# Altium PCB XTIDA-010086.PcbDoc (part 6 of 17) (continued)
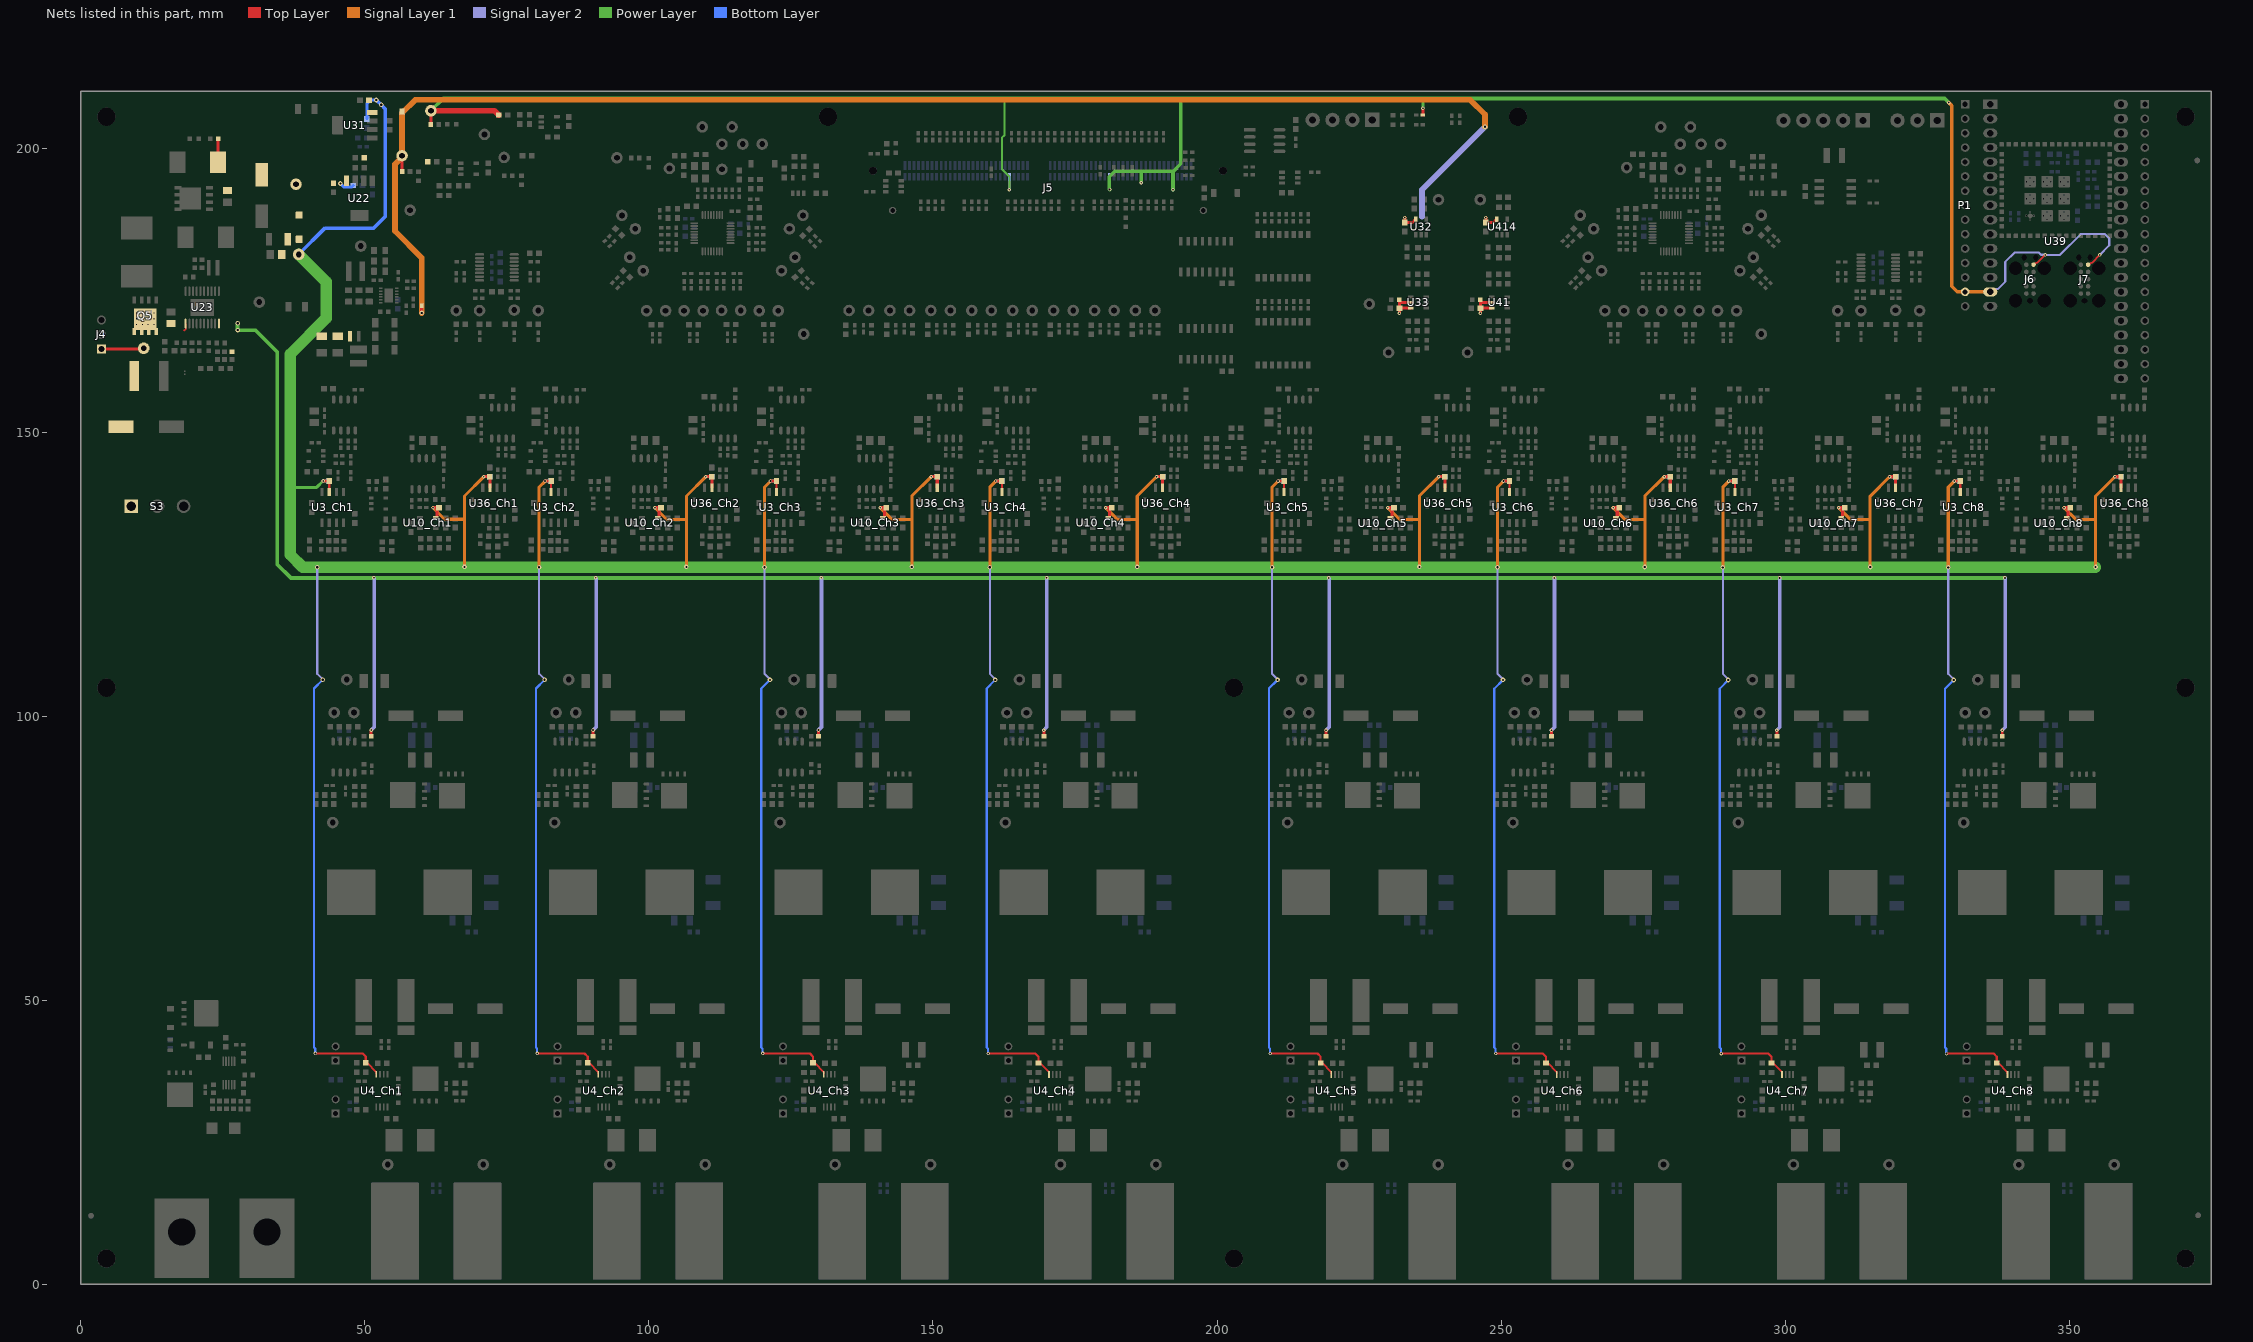
[diagram p10: the nets of this part, all layers, seen from the top]
## Part data (continued)
  R76_Ch1 R76_Ch2 R76_Ch3 R76_Ch4 R76_Ch5 R76_Ch6 R76_Ch7 R76_Ch8: Group=RV
R63_Ch1 R63_Ch2 R63_Ch3 R63_Ch4 R63_Ch5 R63_Ch6 R63_Ch7 R63_Ch8 R77_Ch1 R77_Ch2 R77_Ch3 R77_Ch4 R77_Ch5 R77_Ch6 R77_Ch7 R77_Ch8: library part Resistor, "RES, 49.9 k, 0.1%, 0.1 W, 0603", Manufacturer="Yageo America", PartNumber=RT0603BRD0724KL, Power_W=100mW, TempCo="25 ppm/C", Tolerance_%=0.1%, Value2=0.1W, Value_Code=49k9, ValueDisplayed=49.9k, AEC Category=Q200, AEC Qualified=?, CompType=Resistor, EIA_Code=E192, Group2=VSS, LatestRevisionDate=2017-03-09, MountType=SMT, PackageReference=0603, Published=2008-06-26, Publisher="Texas Instruments", Res_ohm=49.9k, RoHS=Y, SizeArea_mm2=1.28, SizeX_mm=1.6, SizeY_mm=0.8, SizeZ_mm=1, Technology="Thin Film", U/M=EA, Value1=0.1%, VDC_V=75V
R64_Ch1 R64_Ch2 R64_Ch3 R64_Ch4 R64_Ch5 R64_Ch6 R64_Ch7 R64_Ch8 R70_Ch1 R70_Ch2 R70_Ch3 R70_Ch4 R70_Ch5 R70_Ch6 R70_Ch7 R70_Ch8: library part Resistor, "RES, 100 k, 0.1%, 0.1 W, 0603", Manufacturer="Yageo America", Power_W=100mW, Supplier Part Number 1=603-RT0603BRD07100KL, TempCo="25 ppm/C", Tolerance_%=0.1%, Value2=0.1W, Value_Code=100k, AEC Category=Q200, AEC Qualified=?, ComponentLink1Description="Datasheet link", ComponentLink1URL=http://www.yageo.com/pdf/PYu-RT_1-to-0.05_RoHS_L_3.pdf, CompType=Resistor, EIA_Code=E192, Group2=VSS, LatestRevisionDate=2017-03-09, MountType=SMT, PackageReference=0603, PartNumber=RT0603BRD07100KL, Published=2008-06-26, Publisher="Texas Instruments", Res_ohm=100k, RoHS=Y, SizeArea_mm2=1.28, SizeX_mm=1.6, SizeY_mm=0.8, SizeZ_mm=1, Supplier 1=Mouser, Technology="Thin Film", U/M=EA, Value1=0.1%, ValueDisplayed=100k, VDC_V=75V
R72_Ch1 R72_Ch2 R72_Ch3 R72_Ch4 R72_Ch5 R72_Ch6 R72_Ch7 R72_Ch8: library part Resistor, "RES, 32.0 k, 0.1%, 0.1 W, 0603", Manufacturer="Yageo America", PartNumber=RT0603BRD0724KL, Power_W=100mW, TempCo="25 ppm/C", Tolerance_%=0.1%, Value2=0.1W, Value_Code=24k0, ValueDisplayed=32.0k, AEC Category=Q200, AEC Qualified=?, CompType=Resistor, EIA_Code=E192, Group2=VSD, LatestRevisionDate=2017-03-09, MountType=SMT, PackageReference=0603, Published=2008-06-26, Publisher="Texas Instruments", Res_ohm=32k, RoHS=Y, SizeArea_mm2=1.28, SizeX_mm=1.6, SizeY_mm=0.8, SizeZ_mm=1, Technology="Thin Film", U/M=EA, Value1=0.1%, VDC_V=75V
R75_Ch1 R75_Ch2 R75_Ch3 R75_Ch4 R75_Ch5 R75_Ch6 R75_Ch7 R75_Ch8: library part Resistor, "RES, 1.00, 1%, 0.1 W, 0603", Manufacturer=Yageo, Power_W=100mW, Supplier Part Number 1=311-1.00HRCT-ND, TempCo="200 ppm/C", Tolerance_%=1%, Value2=0.1W, Value_Code=1R00, ValueDisplayed=1, AEC Category=Q200, AEC Grade=N/A, AEC Qualified=N, ComponentLink1Description="Datasheet link", ComponentLink1URL=http://www.yageo.com/pdf/Pu-RC0603_51_PbFree_L_2.pdf, CompType=Resistor, EIA_Code=E96, Group=RV, MountType=SMT, PackageReference=0603, PartNumber=RC0603FR-071RL, Res_ohm=1, RoHS=Y, SizeArea_mm2=1.28, SizeAreaWB_mm2=4.68, SizeX_mm=1.6, SizeY_mm=0.8, SizeZ_mm=1, Supplier 1=Digi-Key, Supplier 2=Mouser, Supplier 3=Farnell, Supplier Part Number 2=603-RC0603FR-071RL, Supplier Part Number 3=9238123, Technology="Thick Film", Value1=1%, VDC_V=75V
R78 R489: "RES, 2.0, 5%, 0.1 W, 0603", Manufacturer=Vishay-Dale, Power_W=0.1, Supplier Part Number 1=541-2.0GCT-ND, TempCo="200 ppm/C", Tolerance_%=5, Value1=5%, Value2=0.1W, Value_Code=2R00, ValueDisplayed=2.0, AEC Category=Q200, AEC Qualified=?, ComponentLink1Description="Datasheet link", ComponentLink1URL=http://www.vishay.com/docs/20035/dcrcwe3.pdf, CompType=Resistor, EIA_Code=E24, LatestRevisionDate=2017-03-04, MountType=SMT, PackageReference=0603, PartNumber=CRCW06032R00JNEA, Published=2008-06-26, Publisher="Texas Instruments", Res_ohm=2, RoHS=Y, SizeArea_mm2=1.28, SizeX_mm=1.6, SizeY_mm=0.8, SizeZ_mm=1, Supplier 1=Digi-Key, Supplier 2=Mouser, Supplier 3=Farnell, Supplier Part Number 2=71-CRCW0603J-2-E3, Supplier Part Number 3=1889800, SymbolVersion=2009-05-29, Technology="Thick Film", U/M=EA, VDC_V=75
R79 R164 R165 R457: "RES, 0, 5%, 0.063 W, 0402", Manufacturer=Panasonic, Power_W=0.063, Supplier Part Number 1=P0.0JCT-ND, TempCo="600 ppm/C", Tolerance_%=5, Value1=5%, Value2=0.063W, Value_Code=0000, ValueDisplayed=0, AEC Category=Q200, AEC Qualified=?, ComponentLink1Description="Datasheet link", ComponentLink1URL=http://www.panasonic.com/industrial/components/pdf/AOA0000CE1.pdf, CompType=Resistor, EIA_Code=E24, LatestRevisionDate=2015-10-23, MountType=SMT, PackageReference=0402, PartNumber=ERJ-2GE0R00X, Published=2008-06-26, Publisher="Texas Instruments", Res_ohm=0, RoHS=Y, Supplier 1=Digi-Key, Supplier 2=Mouser, Supplier 3=Farnell, Supplier Part Number 2=667-ERJ-2GE0R00X, Supplier Part Number 3=2059190, SymbolVersion=2009-05-29, Technology="Thick Film", U/M=EA, VDC_V=50
R80: "RES, 2.00 k, 1%, 0.1 W, 0603", Manufacturer=Vishay-Dale, Power_W=0.1, Supplier Part Number 1=541-2.00KHCT-ND, TempCo="100 ppm/C", Tolerance_%=1, Value1=1%, Value2=0.1W, Value_Code=2k00, ValueDisplayed=2.00k, AEC Category=Q200, AEC Qualified=?, ComponentLink1Description="Datasheet link", ComponentLink1URL=http://www.vishay.com/docs/20035/dcrcwe3.pdf, CompType=Resistor, EIA_Code=E96, Green_EU RoHS="Passed with Exemption", Green_EU RoHS-2=Passed, Green_Lifecycle=Active, Green_REACh=Passed, LatestRevisionDate=2017-06-13, MountType=SMT, PackageReference=0603, PartNumber=CRCW06032K00FKEA, Published=2008-06-26, Publisher="Texas Instruments", Res_ohm=2000, RoHS=Y, SizeArea_mm2=1.28, SizeX_mm=1.6, SizeY_mm=0.8, SizeZ_mm=1, Supplier 1=Digi-Key, Supplier 2=Newark, Supplier 3=Mouser, Supplier Part Number 2=52K8223, Supplier Part Number 3=71-CRCW0603-2.0K-E3, SymbolVersion=2009-05-29, Technology="Thick Film", U/M=EA, VDC_V=75
R81: "RES, 330 k, 1%, 0.1 W, 0603", Manufacturer="Yageo America", Power_W=0.1, Supplier Part Number 1=311-330KHRCT-ND, TempCo="200 ppm/C", Tolerance_%=1, Value1=1%, Value2=0.1W, Value_Code=330k, AEC Category=Q200, AEC Qualified=?, ComponentLink1Description="Datasheet link", ComponentLink1URL=http://www.yageo.com/pdf/Pu-RC0603_51_PbFree_L_2.pdf, CompType=Resistor, Green_EU RoHS="Passed with Exemption", Green_EU RoHS-2=Passed, Green_Lifecycle=Active, Green_REACh=Passed, LatestRevisionDate=2017-06-13, MountType=SMT, PackageReference=0603, PartNumber=RC0603FR-07330KL, Published=2008-06-26, Publisher="Texas Instruments", Res_ohm=330000, RoHS=Y, SizeArea_mm2=1.28, SizeX_mm=1.6, SizeY_mm=0.8, SizeZ_mm=1, Supplier 1=Digi-Key, Supplier 2=Mouser, Supplier 3=Farnell, Supplier Part Number 2=603-RC0603FR-07330KL, Supplier Part Number 3=9238786, SymbolVersion=2009-05-29, Technology="Thick Film", U/M=EA, ValueDisplayed=330k, VDC_V=150
R82 R88 R89: "RES, 10.0 k, 1%, 0.1 W, 0603", Manufacturer="Yageo America", Power_W=0.1, Supplier Part Number 1=311-10.0KHRCT-ND, TempCo="200 ppm/C", Tolerance_%=1, Value1=1%, Value2=0.1W, Value_Code=10k0, ValueDisplayed=10.0k, AEC Category=Q200, AEC Qualified=?, ComponentLink1Description="Datasheet link", ComponentLink1URL=http://www.yageo.com/pdf/Pu-RC0603_51_PbFree_L_2.pdf, CompType=Resistor, EIA_Code=E96, LatestRevisionDate=2016-09-18, MountType=SMT, PackageReference=0603, PartNumber=RC0603FR-0710KL, Published=2008-06-26, Publisher="Texas Instruments", Res_ohm=10000, RoHS=Y, SizeArea_mm2=1.28, SizeX_mm=1.6, SizeY_mm=0.8, SizeZ_mm=1, Supplier 1=Digi-Key, Supplier 2=Mouser, Supplier 3=Farnell, Supplier Part Number 2=603-RC0603FR-0710KL, Supplier Part Number 3=9238603, SymbolVersion=2009-05-29, Technology="Thick Film", U/M=EA, VDC_V=150
R83: "RES, 20.5 k, 1%, 0.1 W, 0603", Manufacturer=Vishay-Dale, Power_W=0.1, Supplier Part Number 1=541-20.5KHCT-ND, TempCo="100 ppm/C", Tolerance_%=1, Value1=1%, Value2=0.1W, Value_Code=20k5, ValueDisplayed=20.5k, AEC Category=Q200, AEC Qualified=?, ComponentLink1Description="Datasheet link", ComponentLink1URL=http://www.vishay.com/docs/20035/dcrcwe3.pdf, CompType=Resistor, EIA_Code=E96, Green_EU RoHS="Passed with Exemption", Green_EU RoHS-2=Passed, Green_Lifecycle=Active, Green_REACh=Passed, LatestRevisionDate=2017-06-13, MountType=SMT, PackageReference=0603, PartNumber=CRCW060320K5FKEA, Published=2008-06-26, Publisher="Texas Instruments", Res_ohm=20500, RoHS=Y, SizeArea_mm2=1.28, SizeX_mm=1.6, SizeY_mm=0.8, SizeZ_mm=1, Supplier 1=Digi-Key, Supplier 2=Newark, Supplier 3=Mouser, Supplier Part Number 2=52K8268, Supplier Part Number 3=71-CRCW0603-20.5K-E3, SymbolVersion=2009-05-29, Technology="Thick Film", U/M=EA, VDC_V=75
R84: "RES, 54.9 k, 1%, 0.1 W, 0603", Manufacturer="Yageo America", Power_W=0.1, Supplier Part Number 1=311-54.9KHRCT-ND, TempCo="200 ppm/C", Tolerance_%=1, Value1=1%, Value2=0.1W, Value_Code=54k9, ValueDisplayed=54.9k, AEC Category=Q200, AEC Qualified=?, ComponentLink1Description="Datasheet link", ComponentLink1URL=http://www.yageo.com/pdf/Pu-RC0603_51_PbFree_L_2.pdf, CompType=Resistor, EIA_Code=E96, LatestRevisionDate=2016-09-18, MountType=SMT, PackageReference=0603, PartNumber=RC0603FR-0754K9L, Published=2008-06-26, Publisher="Texas Instruments", Res_ohm=54900, RoHS=Y, SizeArea_mm2=1.28, SizeX_mm=1.6, SizeY_mm=0.8, SizeZ_mm=1, Supplier 1=Digi-Key, Supplier 2=Mouser, Supplier Part Number 2=603-RC0603FR-0754K9L, SymbolVersion=2009-05-29, Technology="Thick Film", U/M=EA, VDC_V=150
R85: "RES, 62.0 k, 1%, 0.1 W, 0603", Manufacturer="Yageo America", Power_W=0.1, Supplier Part Number 1=311-62.0KHRCT-ND, TempCo="200 ppm/C", Tolerance_%=1, Value1=1%, Value2=0.1W, Value_Code=62k0, ValueDisplayed=62.0k, AEC Category=Q200, AEC Qualified=?, ComponentLink1Description="Datasheet link", ComponentLink1URL=http://www.yageo.com/pdf/Pu-RC0603_51_PbFree_L_2.pdf, CompType=Resistor, LatestRevisionDate=2016-09-18, MountType=SMT, PackageReference=0603, PartNumber=RC0603FR-0762KL, Published=2008-06-26, Publisher="Texas Instruments", Res_ohm=62000, RoHS=Y, SizeArea_mm2=1.28, SizeX_mm=1.6, SizeY_mm=0.8, SizeZ_mm=1, Supplier 1=Digi-Key, Supplier 2=Mouser, Supplier Part Number 2=603-RC0603FR-0762KL, SymbolVersion=2009-05-29, Technology="Thick Film", U/M=EA, VDC_V=150
R87: "RES, 1.00 M, 1%, 0.1 W, 0603", Manufacturer=Vishay-Dale, Power_W=0.1, Supplier Part Number 1=541-1.00MHCT-ND, TempCo="100 ppm/C", Tolerance_%=1, Value1=1%, Value2=0.1W, Value_Code=1M00, ValueDisplayed=1.00M, AEC Category=Q200, AEC Qualified=?, ComponentLink1Description="Datasheet link", ComponentLink1URL=http://www.vishay.com/docs/20035/dcrcwe3.pdf, CompType=Resistor, EIA_Code=E96, Green_EU RoHS="Passed with Exemption", Green_EU RoHS-2=Passed, Green_Lifecycle=Active, Green_REACh=Passed, LatestRevisionDate=2017-06-13, MountType=SMT, PackageReference=0603, PartNumber=CRCW06031M00FKEA, Published=2008-06-26, Publisher="Texas Instruments", Res_ohm=1000000, RoHS=Y, SizeArea_mm2=1.28, SizeX_mm=1.6, SizeY_mm=0.8, SizeZ_mm=1, Supplier 1=Digi-Key, Supplier 2=Newark, Supplier 3=Mouser, Supplier Part Number 2=52K8053, Supplier Part Number 3=71-CRCW0603-1.0M-E3, SymbolVersion=2009-05-29, Technology="Thick Film", U/M=EA, VDC_V=75
R98 R108 R109 R129 R139 R140 R177 R181: library part CMP-0022735-5, "RES, 100 k, 1%, 0.1 W, 0603", Manufacturer=Yageo, Power_W=100mW, Supplier Part Number 1=311-100KHRCT-ND, TempCo="100 ppm/C", Tolerance_%=1%, Value2=0.1W, Value_Code=100k, AEC Category=Q200, AEC Grade=N/A, AEC Qualified=N, ComponentLink1Description="Datasheet link", ComponentLink1URL=http://www.yageo.com/pdf/Pu-RC0603_51_PbFree_L_2.pdf, CompType=Resistor, EIA_Code=E96, MountType=SMT, PackageReference=0603, PartNumber=RC0603FR-07100KL, Res_ohm=100k, RoHS=Y, SizeArea_mm2=1.28, SizeAreaWB_mm2=4.68, SizeX_mm=1.6, SizeY_mm=0.8, SizeZ_mm=1, Supplier 1=Digi-Key, Supplier 2=Mouser, Supplier 3=Farnell, Supplier Part Number 2=603-RC0603FR-07100KL, Supplier Part Number 3=9238727, Technology="Thick Film", Value1=1%, ValueDisplayed=100k, VDC_V=75V
R152 R153: "RES, 0, 1%, 0.5 W, 1206", Manufacturer=Keystone, Power_W=0.5, Supplier Part Number 1=36-5108CT-ND, TempCo=ppm/C, Tolerance_%=1, Value1=1%, Value2=0.5W, Value_Code=0, AEC Category=Q200, AEC Grade=N/A, AEC Qualified=N, ComponentLink1Description="Datasheet link", ComponentLink1URL=http://www.keyelco.com/product.cfm/product_id/14040/checkStock/1, CompType=Resistor, LatestRevisionDate=2017-06-12, MountType=SMT, PackageReference=1206, PartNumber=5108, Published=2008-06-26, Publisher="Texas Instruments", Res_ohm=0, RoHS=Y, SizeArea_mm2=5.185, SizeX_mm=3.05, SizeY_mm=1.7, SizeZ_mm=0.84, Supplier 1=Digi-Key, Supplier 2=Newark, Supplier 3=Mouser, Supplier Part Number 2=43Y2534, Supplier Part Number 3=534-5108, SymbolVersion=2009-05-29, Technology="Metal Element", U/M=EA, ValueDisplayed=0
R154 R488: "RES, 4.99 k, 0.1%, 0.1 W, 0603", Manufacturer="Susumu Co Ltd", Power_W=0.1, Supplier Part Number 1=RG16P4.99KBCT-ND, TempCo="25 ppm/C", Value1=0.1%, Value2=0.1W, Value_Code=4k99, ValueDisplayed=4.99k, ComponentLink1Description="Datasheet link", ComponentLink1URL=http://www.susumu.co.jp/english/pdf/products-j01-01.pdf, CompType=Resistor, EIA_Code=E192, LatestRevisionDate=2015-06-13, MountType=SMT, PackageReference=0603, PartNumber=RG1608P-4991-B-T5, Published=2008-06-26, Publisher="Texas Instruments", Res_ohm=4990, RoHS=Y, Supplier 1=Digi-Key, Supplier 2=Mouser, Supplier Part Number 2=754-RG1608P-4991-BT5, SymbolVersion=2009-05-29, Technology="Metal Film", Tolerance_%=0.1, U/M=EA, VDC_V=75
R156 R492: "RES, 499, 0.1%, 0.1 W, 0603", Manufacturer="Susumu Co Ltd", Power_W=0.1, Supplier Part Number 1=RG16P499BCT-ND, TempCo="25 ppm/C", Value1=0.1%, Value2=0.1W, Value_Code=499R, ValueDisplayed=499, ComponentLink1Description="Datasheet link", ComponentLink1URL=http://www.susumu.co.jp/english/pdf/products-j01-01.pdf, CompType=Resistor, EIA_Code=E192, LatestRevisionDate=2015-06-13, MountType=SMT, PackageReference=0603, PartNumber=RG1608P-4990-B-T5, Published=2008-06-26, Publisher="Texas Instruments", Res_ohm=499, RoHS=Y, Supplier 1=Digi-Key, Supplier 2=Mouser, Supplier 3=Farnell, Supplier Part Number 2=754-RG1608P-4990-BT5, Supplier Part Number 3=1797198, SymbolVersion=2009-05-29, Technology="Metal Film", Tolerance_%=0.1, U/M=EA, VDC_V=75
R158 R494: "RES, 30.0 k, 0.1%, 0.1 W, 0603", Manufacturer="Susumu Co Ltd", Power_W=0.1, Supplier Part Number 1=RG16P30.0KBCT-ND, TempCo="25 ppm/C", Value1=0.1%, Value2=0.1W, Value_Code=30k0, ValueDisplayed=30.0k, AEC Category=Q200, AEC Qualified=?, ComponentLink1Description="Datasheet link", ComponentLink1URL=http://www.susumu.co.jp/english/pdf/products-j01-01.pdf, CompType=Resistor, LatestRevisionDate=2015-10-21, MountType=SMT, PackageReference=0603, PartNumber=RG1608P-303-B-T5, Published=2008-06-26, Publisher="Texas Instruments", Res_ohm=30000, RoHS=Y, Supplier 1=Digi-Key, Supplier 2=Mouser, Supplier 3=Farnell, Supplier Part Number 2=754-RG1608P-303-B-T5, Supplier Part Number 3=1797154, SymbolVersion=2009-05-29, Technology="Metal Film", Tolerance_%=0.1, U/M=EA, VDC_V=75
R163 R176 R201 R203 R205: library part CMP-0025874-3, "RES, 0, 5%, 0.1 W, 0603", Manufacturer=Panasonic, PartNumber=ERJ-3GEY0R00V, Power_W=100mW, Supplier Part Number 1=P0.0GCT-ND, TempCo="600 ppm/C", Tolerance_%=5%, Value2=0.1W, Value_Code=0000, ValueDisplayed=0, AEC Category=Q200, AEC Qualified=?, ComponentLink1Description="Datasheet link", ComponentLink1URL=http://www.panasonic.com/industrial/components/pdf/AOA0000CE1.pdf, CompType=Resistor, EIA_Code=E24, LatestRevisionDate=2017-03-09, MountType=SMT, PackageReference=0603, Published=2008-06-26, Publisher="Texas Instruments", Res_ohm=0, RoHS=Y, SizeArea_mm2=1.28, SizeX_mm=1.6, SizeY_mm=0.8, SizeZ_mm=1, Supplier 1=Digi-Key, Supplier 2=Mouser, Supplier 3=Farnell, Supplier Part Number 2=667-ERJ-3GEY0R00V, Supplier Part Number 3=2059527, Technology="Thick Film", U/M=EA, Value1=5%, VDC_V=50V
R196: "RES, 49.9, 1%, 0.063 W, 0402", Manufacturer=Vishay-Dale, Power_W=0.063, Supplier Part Number 1=541-49.9LCT-ND, TempCo="100 ppm/C", Tolerance_%=1, Value1=1%, Value2=0.063W, Value_Code=49R9, ValueDisplayed=49.9, AEC Category=Q200, AEC Qualified=?, ComponentLink1Description="Datasheet link", ComponentLink1URL=http://www.vishay.com/docs/20035/dcrcwe3.pdf, CompType=Resistor, EIA_Code=E96, Green_EU RoHS="Passed with Exemption", Green_EU RoHS-2=Passed, Green_Lifecycle=Active, Green_REACh=Passed, LatestRevisionDate=2017-06-12, MountType=SMT, PackageReference=0402, PartNumber=CRCW040249R9FKED, Published=2008-06-26, Publisher="Texas Instruments", Res_ohm=49.9, RoHS=Y, SizeArea_mm2=0.5, SizeX_mm=1, SizeY_mm=0.5, SizeZ_mm=0.6, Supplier 1=Digi-Key, Supplier 2=Newark, Supplier 3=Mouser, Supplier Part Number 2=52K7114, Supplier Part Number 3=71-CRCW0402-49.9-E3, SymbolVersion=2009-05-29, Technology="Thick Film", U/M=EA, VDC_V=50
R197: "RES, 130 k, 1%, 0.063 W, 0402", Manufacturer=Vishay-Dale, Power_W=0.063, Supplier Part Number 1=541-130KLCT-ND, TempCo="100 ppm/C", Tolerance_%=1, Value1=1%, Value2=0.063W, Value_Code=130k, AEC Category=Q200, AEC Qualified=?, ComponentLink1Description="Datasheet link", ComponentLink1URL=http://www.vishay.com/docs/20035/dcrcwe3.pdf, CompType=Resistor, EIA_Code=E96, Green_EU RoHS="Passed with Exemption", Green_EU RoHS-2=Passed, Green_Lifecycle=Active, Green_REACh=Passed, LatestRevisionDate=2017-06-12, MountType=SMT, PackageReference=0402, PartNumber=CRCW0402130KFKED, Published=2008-06-26, Publisher="Texas Instruments", Res_ohm=130000, RoHS=Y, SizeArea_mm2=0.5, SizeX_mm=1, SizeY_mm=0.5, SizeZ_mm=0.6, Supplier 1=Digi-Key, Supplier 2=Newark, Supplier 3=Mouser, Supplier Part Number 2=52K6678, Supplier Part Number 3=71-CRCW0402-130K-E3, SymbolVersion=2009-05-29, Technology="Thick Film", U/M=EA, ValueDisplayed=130k, VDC_V=50
R198 R200: "RES, 100 k, 0.5%, 0.063 W, 0402", Manufacturer=Vishay-Dale, Power_W=0.063, Supplier Part Number 1=541-100KAVCT-ND, TempCo="50 ppm/C", Tolerance_%=0.5, Value1=0.5%, Value2=0.063W, Value_Code=100k, AEC Category=Q200, AEC Qualified=?, ComponentLink1Description="Datasheet link", ComponentLink1URL=http://www.vishay.com/docs/20036/dcrcwpe3.pdf, CompType=Resistor, EIA_Code=E192, Green_EU RoHS="Passed with Exemption", Green_EU RoHS-2=Passed, Green_Lifecycle=Active, Green_REACh=Passed, LatestRevisionDate=2017-06-12, MountType=SMT, PackageReference=0402, PartNumber=CRCW0402100KDHEDP, Published=2008-06-26, Publisher="Texas Instruments", Res_ohm=100000, RoHS=Y, SizeArea_mm2=0.5, SizeX_mm=1, SizeY_mm=0.5, SizeZ_mm=0.6, Supplier 1=Digi-Key, SymbolVersion=2009-05-29, Technology="Thick Film", U/M=EA, ValueDisplayed=100k, VDC_V=50
R199: "RES, 24 k, 5%, 0.063 W, 0402", Manufacturer=Vishay-Dale, Power_W=0.063, Supplier Part Number 1=541-24KJCT-ND, TempCo="200 ppm/C", Tolerance_%=5, Value1=5%, Value2=0.063W, Value_Code=24k0, ValueDisplayed=24k, AEC Category=Q200, AEC Qualified=?, ComponentLink1Description="Datasheet link", ComponentLink1URL=http://www.vishay.com/docs/20035/dcrcwe3.pdf, CompType=Resistor, EIA_Code=E24, Green_EU RoHS="Passed with Exemption", Green_EU RoHS-2=Passed, Green_Lifecycle=Active, Green_REACh=Passed, LatestRevisionDate=2017-06-12, MountType=SMT, PackageReference=0402, PartNumber=CRCW040224K0JNED, Published=2008-06-26, Publisher="Texas Instruments", Res_ohm=24000, RoHS=Y, SizeArea_mm2=0.5, SizeX_mm=1, SizeY_mm=0.5, SizeZ_mm=0.6, Supplier 1=Digi-Key, SymbolVersion=2009-05-29, Technology="Thick Film", U/M=EA, VDC_V=50
R202: library part CMP-0021990-1, "RES, 100 k, 1%, 0.1 W, 0603", Manufacturer=Vishay-Dale, Power_W=100mW, Supplier Part Number 1=541-100KHCT-ND, TempCo="100 ppm/C", Tolerance_%=1%, Value2=0.1W, Value_Code=100k, AEC Category=Q200, AEC Qualified=?, ComponentLink1Description="Datasheet link", ComponentLink1URL=http://www.vishay.com/docs/20035/dcrcwe3.pdf, CompType=Resistor, EIA_Code=E96, LatestRevisionDate=2017-03-09, MountType=SMT, PackageReference=0603, PartNumber=CRCW0603100KFKEA, Published=2008-06-26, Publisher="Texas Instruments", Res_ohm=100k, RoHS=Y, SizeArea_mm2=1.28, SizeX_mm=1.6, SizeY_mm=0.8, SizeZ_mm=1, Supplier 1=Digi-Key, Supplier 2=Newark, Supplier 3=Mouser, Supplier Part Number 2=42K3668, Supplier Part Number 3=71-CRCW0603-100K-E3, Technology="Thick Film", U/M=EA, Value1=1%, ValueDisplayed=100k, VDC_V=75V
R206: "RES, 20.0 k, 1%, 0.1 W, 0603", Manufacturer=Vishay-Dale, Power_W=0.1, Supplier Part Number 1=541-20.0KHCT-ND, TempCo="100 ppm/C", Tolerance_%=1, Value1=1%, Value2=0.1W, Value_Code=20k0, ValueDisplayed=20.0k, AEC Category=Q200, AEC Qualified=?, ComponentLink1Description="Datasheet link", ComponentLink1URL=http://www.vishay.com/docs/20035/dcrcwe3.pdf, CompType=Resistor, EIA_Code=E96, LatestRevisionDate=2015-08-22, MountType=SMT, PackageReference=0603, PartNumber=CRCW060320K0FKEA, Published=2008-06-26, Publisher="Texas Instruments", Res_ohm=20000, RoHS=Y, Supplier 1=Digi-Key, Supplier 2=Mouser, Supplier 3=Farnell, Supplier Part Number 2=71-CRCW0603-20K-E3, Supplier Part Number 3=1469774, SymbolVersion=2009-05-29, Technology="Thick Film", U/M=EA, VDC_V=75
R207: "RES, 100 k, 1%, 0.1 W, 0603", Manufacturer="Yageo America", Power_W=0.1, Supplier Part Number 1=311-100KHRCT-ND, TempCo="200 ppm/C", Tolerance_%=1, Value1=1%, Value2=0.1W, Value_Code=100k, AEC Category=Q200, AEC Qualified=?, ComponentLink1Description="Datasheet link", ComponentLink1URL=http://www.yageo.com/pdf/Pu-RC0603_51_PbFree_L_2.pdf, CompType=Resistor, EIA_Code=E96, Green_EU RoHS="Passed with Exemption", Green_EU RoHS-2=Passed, Green_Lifecycle=Active, Green_REACh=Passed, LatestRevisionDate=2017-06-13, MountType=SMT, PackageReference=0603, PartNumber=RC0603FR-07100KL, Published=2008-06-26, Publisher="Texas Instruments", Res_ohm=100000, RoHS=Y, SizeArea_mm2=1.28, SizeX_mm=1.6, SizeY_mm=0.8, SizeZ_mm=1, Supplier 1=Digi-Key, Supplier 2=Mouser, Supplier 3=Farnell, Supplier Part Number 2=603-RC0603FR-07100KL, Supplier Part Number 3=9238727, SymbolVersion=2009-05-29, Technology="Thick Film", U/M=EA, ValueDisplayed=100k, VDC_V=150
R210: "RES, 18.2 k, 1%, 0.1 W, 0603", Manufacturer=Vishay-Dale, Power_W=0.1, Supplier Part Number 1=541-18.2KHCT-ND, TempCo="100 ppm/C", Tolerance_%=1, Value1=1%, Value2=0.1W, Value_Code=18k2, ValueDisplayed=18.2k, ComponentLink1Description="Datasheet link", ComponentLink1URL=http://www.vishay.com/docs/20035/dcrcwe3.pdf, CompType=Resistor, EIA_Code=E96, LatestRevisionDate=2014-10-21, MountType=SMT, PackageReference=0603, PartNumber=CRCW060318K2FKEA, Published=2008-06-26, Publisher="Texas Instruments", Res_ohm=18200, RoHS=Y, Supplier 1=Digi-Key, Supplier 2=Mouser, Supplier 3=Farnell, Supplier Part Number 2=71-CRCW0603-18.2K-E3, Supplier Part Number 3=1652845, SymbolVersion=2009-05-29, Technology="Thick Film", U/M=EA, VDC_V=75
R211: "RES, 0.068, 1%, 1 W, 0612", Manufacturer="Susumu Co Ltd", Power_W=1, Supplier Part Number 1=PRL1632.068FCT-ND, TempCo="50 ppm/C", Value1=1%, Value2=1W, Value_Code=R068, ValueDisplayed=0.068, ComponentLink1Description="Datasheet link", ComponentLink1URL=http://www.susumu-usa.com/common/pdf/PRL_RL_Data_sheet.pdf, CompType=Resistor, LatestRevisionDate=2014-11-30, MountType=SMT, PackageReference=0612, PartNumber=PRL1632-R068-F-T1, Published=2008-06-26, Publisher="Texas Instruments", Res_ohm=0.068, RoHS=Y, Supplier 1=Digi-Key, Supplier 2=Mouser, Supplier Part Number 2=754-PRL1632-R068-FT1, SymbolVersion=2009-05-29, Technology="Thin Film", Tolerance_%=1, U/M=EA
R212: "RES, 24.0 k, 1%, 0.1 W, 0603", Manufacturer="Yageo America", Power_W=0.1, Supplier Part Number 1=311-24.0KHRCT-ND, TempCo="200 ppm/C", Tolerance_%=1, Value1=1%, Value2=0.1W, Value_Code=24k0, ValueDisplayed=24.0k, ComponentLink1Description="Datasheet link", ComponentLink1URL=http://www.yageo.com/pdf/Pu-RC0603_51_PbFree_L_2.pdf, CompType=Resistor, LatestRevisionDate=2014-10-21, MountType=SMT, PackageReference=0603, PartNumber=RC0603FR-0724KL, Published=2008-06-26, Publisher="Texas Instruments", Res_ohm=24000, RoHS=Y, Supplier 1=Digi-Key, Supplier 2=Mouser, Supplier 3=Farnell, Supplier Part Number 2=603-RC0603FR-0724KL, Supplier Part Number 3=1799336, SymbolVersion=2009-05-29, Technology="Thick Film", U/M=EA, VDC_V=150
R213: library part CMP-0023278-3, "RES, 7.32 k, 1%, 0.1 W, 0603", Manufacturer="Yageo America", Power_W=100mW, Supplier Part Number 1=311-7.32KHRCT-ND, TempCo="200 ppm/C", Tolerance_%=1%, Value2=0.1W, Value_Code=7k32, ValueDisplayed=7.32k, AEC Category=Q200, AEC Qualified=?, ComponentLink1Description="Datasheet link", ComponentLink1URL=http://www.yageo.com/pdf/Pu-RC0603_51_PbFree_L_2.pdf, CompType=Resistor, EIA_Code=E96, LatestRevisionDate=2017-03-09, MountType=SMT, PackageReference=0603, PartNumber=RC0603FR-077K32L, Published=2008-06-26, Publisher="Texas Instruments", Res_ohm=7.32k, RoHS=Y, SizeArea_mm2=1.28, SizeX_mm=1.6, SizeY_mm=0.8, SizeZ_mm=1, Supplier 1=Digi-Key, Supplier 2=Mouser, Supplier 3=Farnell, Supplier Part Number 2=603-RC0603FR-077K32L, Supplier Part Number 3=1799353, Technology="Thick Film", U/M=EA, Value1=1%, VDC_V=150V
R214: library part CMP-0023172-3, "RES, 52.3 k, 1%, 0.1 W, 0603", Manufacturer="Yageo America", Power_W=100mW, Supplier Part Number 1=311-52.3KHRCT-ND, TempCo="200 ppm/C", Tolerance_%=1%, Value2=0.1W, Value_Code=52k3, ValueDisplayed=52.3k, AEC Category=Q200, AEC Qualified=?, ComponentLink1Description="Datasheet link", ComponentLink1URL=http://www.yageo.com/pdf/Pu-RC0603_51_PbFree_L_2.pdf, CompType=Resistor, EIA_Code=E96, LatestRevisionDate=2017-03-09, MountType=SMT, PackageReference=0603, PartNumber=RC0603FR-0752K3L, Published=2008-06-26, Publisher="Texas Instruments", Res_ohm=52.3k, RoHS=Y, SizeArea_mm2=1.28, SizeX_mm=1.6, SizeY_mm=0.8, SizeZ_mm=1, Supplier 1=Digi-Key, Supplier 2=Mouser, Supplier Part Number 2=603-RC0603FR-0752K3L, Technology="Thick Film", U/M=EA, Value1=1%, VDC_V=150V
R215: "RES, 10.0, 1%, 0.1 W, 0603", Manufacturer=Vishay-Dale, Power_W=0.1, Supplier Part Number 1=541-10.0HCT-ND, TempCo="100 ppm/C", Tolerance_%=1, Value1=1%, Value2=0.1W, Value_Code=10R0, ValueDisplayed=10.0, ComponentLink1Description="Datasheet link", ComponentLink1URL=http://www.vishay.com/docs/20035/dcrcwe3.pdf, CompType=Resistor, EIA_Code=E96, LatestRevisionDate=2014-10-21, MountType=SMT, PackageReference=0603, PartNumber=CRCW060310R0FKEA, Published=2008-06-26, Publisher="Texas Instruments", Res_ohm=10, RoHS=Y, Supplier 1=Digi-Key, Supplier 2=Mouser, Supplier 3=Farnell, Supplier Part Number 2=71-CRCW0603-10-E3, Supplier Part Number 3=1469751, SymbolVersion=2009-05-29, Technology="Thick Film", U/M=EA, VDC_V=75
R216_Ch1 R216_Ch2 R216_Ch3 R216_Ch4 R216_Ch5 R216_Ch6 R216_Ch7 R216_Ch8: library part CMP-2000-04525-1, Case Code (Imperial)=0603, Case Code (Metric)=1608, Manufacturer=Yageo, Max Operating Temperature=155°C, Max Power Dissipation=100mW, Min Operating Temperature=-55°C, Package Quantity=5000, Resistance=1kR, Resistor Type="Thin Film", Supplier Part Number 1=YAG2314CT-ND, Temperature Coefficient=50ppm/°C, Tolerance=0.1%, Voltage Rating (DC)=50V, Case/Package=0603, Category="Chip SMD Resistors", ComponentLink1Description=https://datasheet.ciiva.com/2584/pyu-rt-1-to-0-05-rohs-l-5-2584317.pdf?src-supplier=Digi-Key, ComponentLink1URL=https://datasheet.ciiva.com/2584/pyu-rt-1-to-0-05-rohs-l-5-2584317.pdf?src-supplier=Digi-Key, Depth=0.8mm, Features="Moisture Resistant", Group=TS, Height=0.022inch, Lead Free="Lead Free", Length=0.063inch, Manufacturer Part Number=RT0603BRE071KL, Military Standard=Not, Number of Terminations=2, Packaging="Tape and Reel", Part Number=RT0603BRE071KL, Power Rating=100mW, Pricing 1="1=0.38000, 10=0.27500, 100=0.11000, 1000=0.05420, 2500=0.05021 (USD)", RoHS=Yes, Stock 1=2750, Supplier 1=Digi-Key, Width=0.031inch
R217_Ch1 R217_Ch2 R217_Ch3 R217_Ch4 R217_Ch5 R217_Ch6 R217_Ch7 R217_Ch8: library part CMP-2000-04476-1, Case Code (Imperial)=0603, Case Code (Metric)=1608, Manufacturer=Yageo, Max Operating Temperature=125°C, Max Power Dissipation=100mW, Min Operating Temperature=-55°C, Package Quantity=5000, Resistance=560R, Resistor Type="Thin Film", Supplier Part Number 1=YAG1689CT-ND, Temperature Coefficient=25ppm/°C, Tolerance=0.1%, Voltage Rating=75V, Voltage Rating (DC)=50V, Case/Package=0603, Category="Chip SMD Resistors", ComponentLink1Description=https://datasheet.ciiva.com/2586/pyu-rt-1-to-0-05-rohs-l-4-2586000.pdf?src-supplier=Digi-Key, ComponentLink1URL=https://datasheet.ciiva.com/2586/pyu-rt-1-to-0-05-rohs-l-4-2586000.pdf?src-supplier=Digi-Key, ComponentLink2Description=https://datasheet.ciiva.com/8885/pyu-rt-1-to-0-05-rohs-l-4-8885271.pdf?src-supplier=Avnet, ComponentLink2URL=https://datasheet.ciiva.com/8885/pyu-rt-1-to-0-05-rohs-l-4-8885271.pdf?src-supplier=Avnet, ComponentLink3Description=https://datasheet.ciiva.com/46635/pyu-rt-1-to-0-05-rohs-l-5-46635277.pdf?src-supplier=Digi-Key, ComponentLink3URL=https://datasheet.ciiva.com/46635/pyu-rt-1-to-0-05-rohs-l-5-46635277.pdf?src-supplier=Digi-Key, Contact Plating=Tin,Matte, Depth=0.8mm, Features="Moisture Resistant", Group=TS, Height=0.022inch, Lead Free="Lead Free", Length=1.6mm, Manufacturer Part Number=RT0603BRD07560RL, Military Standard=Not, Number of Terminations=2, Packaging="Tape and Reel", Part Number=RT0603BRD07560RL, Power Rating=100mW, Pricing 1="1=0.32000, 10=0.27400, 100=0.10730, 1000=0.04491, 2500=0.04117 (USD)", Radiation Hardening=No, RoHS=Yes, Stock 1=4644, Supplier 1=Digi-Key, Termination=SMD/SMT, Weight=7.1E-05oz, Width=0.031inch
R219_Ch1 R219_Ch2 R219_Ch3 R219_Ch4 R219_Ch5 R219_Ch6 R219_Ch7 R219_Ch8: "RES, 500, 0.1%, 0.05 W, 0402", Manufacturer="Vishay Thin Film", Power_W=0.05, Supplier Part Number 1=541-1905-1-ND, TempCo="25 ppm/C", Tolerance_%=0.1, Value1=0.1%, Value2=0.05W, Value_Code=500R, ValueDisplayed=500, AEC Category=Q200, AEC Grade=N/A, AEC Qualified=N, ComponentLink1Description="Datasheet link", ComponentLink1URL=http://www.vishay.com/docs/60057/pnm.pdf, CompType=Resistor, Group=TS, LatestRevisionDate=2017-06-12, MountType=SMT, PackageReference=0402, PartNumber=PNM0402E5000BST1, Published=2008-06-26, Publisher="Texas Instruments", Res_ohm=500, RoHS=Y, SizeArea_mm2=0.5, SizeX_mm=1, SizeY_mm=0.5, SizeZ_mm=0.6, Supplier 1=Digi-Key, Supplier 2=Mouser, Supplier Part Number 2=71-PNM0402E5000BST1, SymbolVersion=2009-05-29, Technology="Thin Film", U/M=EA, VDC_V=75
R221_Ch1 R221_Ch2 R221_Ch3 R221_Ch4 R221_Ch5 R221_Ch6 R221_Ch7 R221_Ch8: library part CMP-2000-00170-1, Case Code (Imperial)=0603, Case Code (Metric)=1608, Manufacturer=Panasonic, Max Operating Temperature=125°C, Max Power Dissipation=100mW, Min Operating Temperature=-55°C, Package Quantity=1, Power Rating=62.5mW, Resistance=3kR, Resistor Type="Thin Film,Metal Film", Supplier Part Number 1=P3.0KYCT-ND, Temperature Coefficient=25ppm/°C, Tolerance=0.1%, Voltage Rating (DC)=75V, Case/Package=0603, Category="Chip SMD Resistors", ComponentLink1Description=http://components.arrow.com/part/dataview/0323_02918288?src-supplier=Arrow+Europe, ComponentLink1URL=http://components.arrow.com/part/dataview/0323_02918288?src-supplier=Arrow+Europe, ComponentLink2Description=https://media.digikey.com/pdf/Data%20Sheets/Panasonic%20Resistors%20Thermistors%20PDFs/ERA3Y_E_Spec.PDF?src-supplier=Digi-Key, ComponentLink2URL=https://media.digikey.com/pdf/Data%20Sheets/Panasonic%20Resistors%20Thermistors%20PDFs/ERA3Y_E_Spec.PDF?src-supplier=Digi-Key, ComponentLink3Description=http://www.alliedelec.com/images/products/datasheets/bm/1_Datasheets/70552202.pdf?src-supplier=Allied+Electronics, ComponentLink3URL=http://www.alliedelec.com/images/products/datasheets/bm/1_Datasheets/70552202.pdf?src-supplier=Allied+Electronics, ComponentLink4Description=http://www.mouser.com/ds/2/315/ERA3Y6Y14-197296.pdf?src-supplier=Mouser, ComponentLink4URL=http://www.mouser.com/ds/2/315/ERA3Y6Y14-197296.pdf?src-supplier=Mouser, ComponentLink5Description=http://components.arrow.com/part/dataview/3988931S9695890N1386?src-supplier=Arrow+Electronics, ComponentLink5URL=http://components.arrow.com/part/dataview/3988931S9695890N1386?src-supplier=Arrow+Electronics, Contact Plating=Tin, Depth=0.8mm, Group=TS, Height=0.022inch, Lead Free="Lead Free", Length=1.6mm, Manufacturer Part Number=ERA-3YEB302V, Military Standard=Not, Mount="Surface Mount", Number of Terminations=2, Packaging="Tape and Reel", Part Number=ERA-3YEB302V, Pricing 1="1=0.28000, 10=0.17300, 100=0.10730 (USD)", Radiation Hardening=No, RoHS=Yes, Stock 1=369, Supplier 1=Digi-Key, Termination=SMD/SMT, Weight=7.1E-05oz, Width=0.031inch
R223 R224 R225 R226 R227 R228 R229 R230 R231 R232 R233 R234 R235 R236 R237 R238 R240 R241 R242 R244 R258 R259: "RES, 10.0 k, 1%, 0.063 W, 0402", Manufacturer=Vishay-Dale, Power_W=0.063, Supplier Part Number 1=541-10.0KLCT-ND, TempCo="100 ppm/C", Tolerance_%=1, Value1=1%, Value2=0.063W, Value_Code=10k0, ValueDisplayed=10.0k, AEC Category=Q200, AEC Qualified=?, ComponentLink1Description="Datasheet link", ComponentLink1URL=http://www.vishay.com/docs/20035/dcrcwe3.pdf, CompType=Resistor, EIA_Code=E96, Green_EU RoHS="Passed with Exemption", Green_EU RoHS-2=Passed, Green_Lifecycle=Active, Green_REACh=Passed, LatestRevisionDate=2017-06-12, MountType=SMT, PackageReference=0402, PartNumber=CRCW040210K0FKED, Published=2008-06-26, Publisher="Texas Instruments", Res_ohm=10000, RoHS=Y, SizeArea_mm2=0.5, SizeX_mm=1, SizeY_mm=0.5, SizeZ_mm=0.6, Supplier 1=Digi-Key, Supplier 2=Newark, Supplier 3=Mouser, Supplier Part Number 2=52K6595, Supplier Part Number 3=71-CRCW0402-10K-E3, SymbolVersion=2009-05-29, Technology="Thick Film", U/M=EA, VDC_V=50